# Altium PCB radxa_cm3i_io_board_v1.4.PcbDoc (part 1 of 9) (continued)
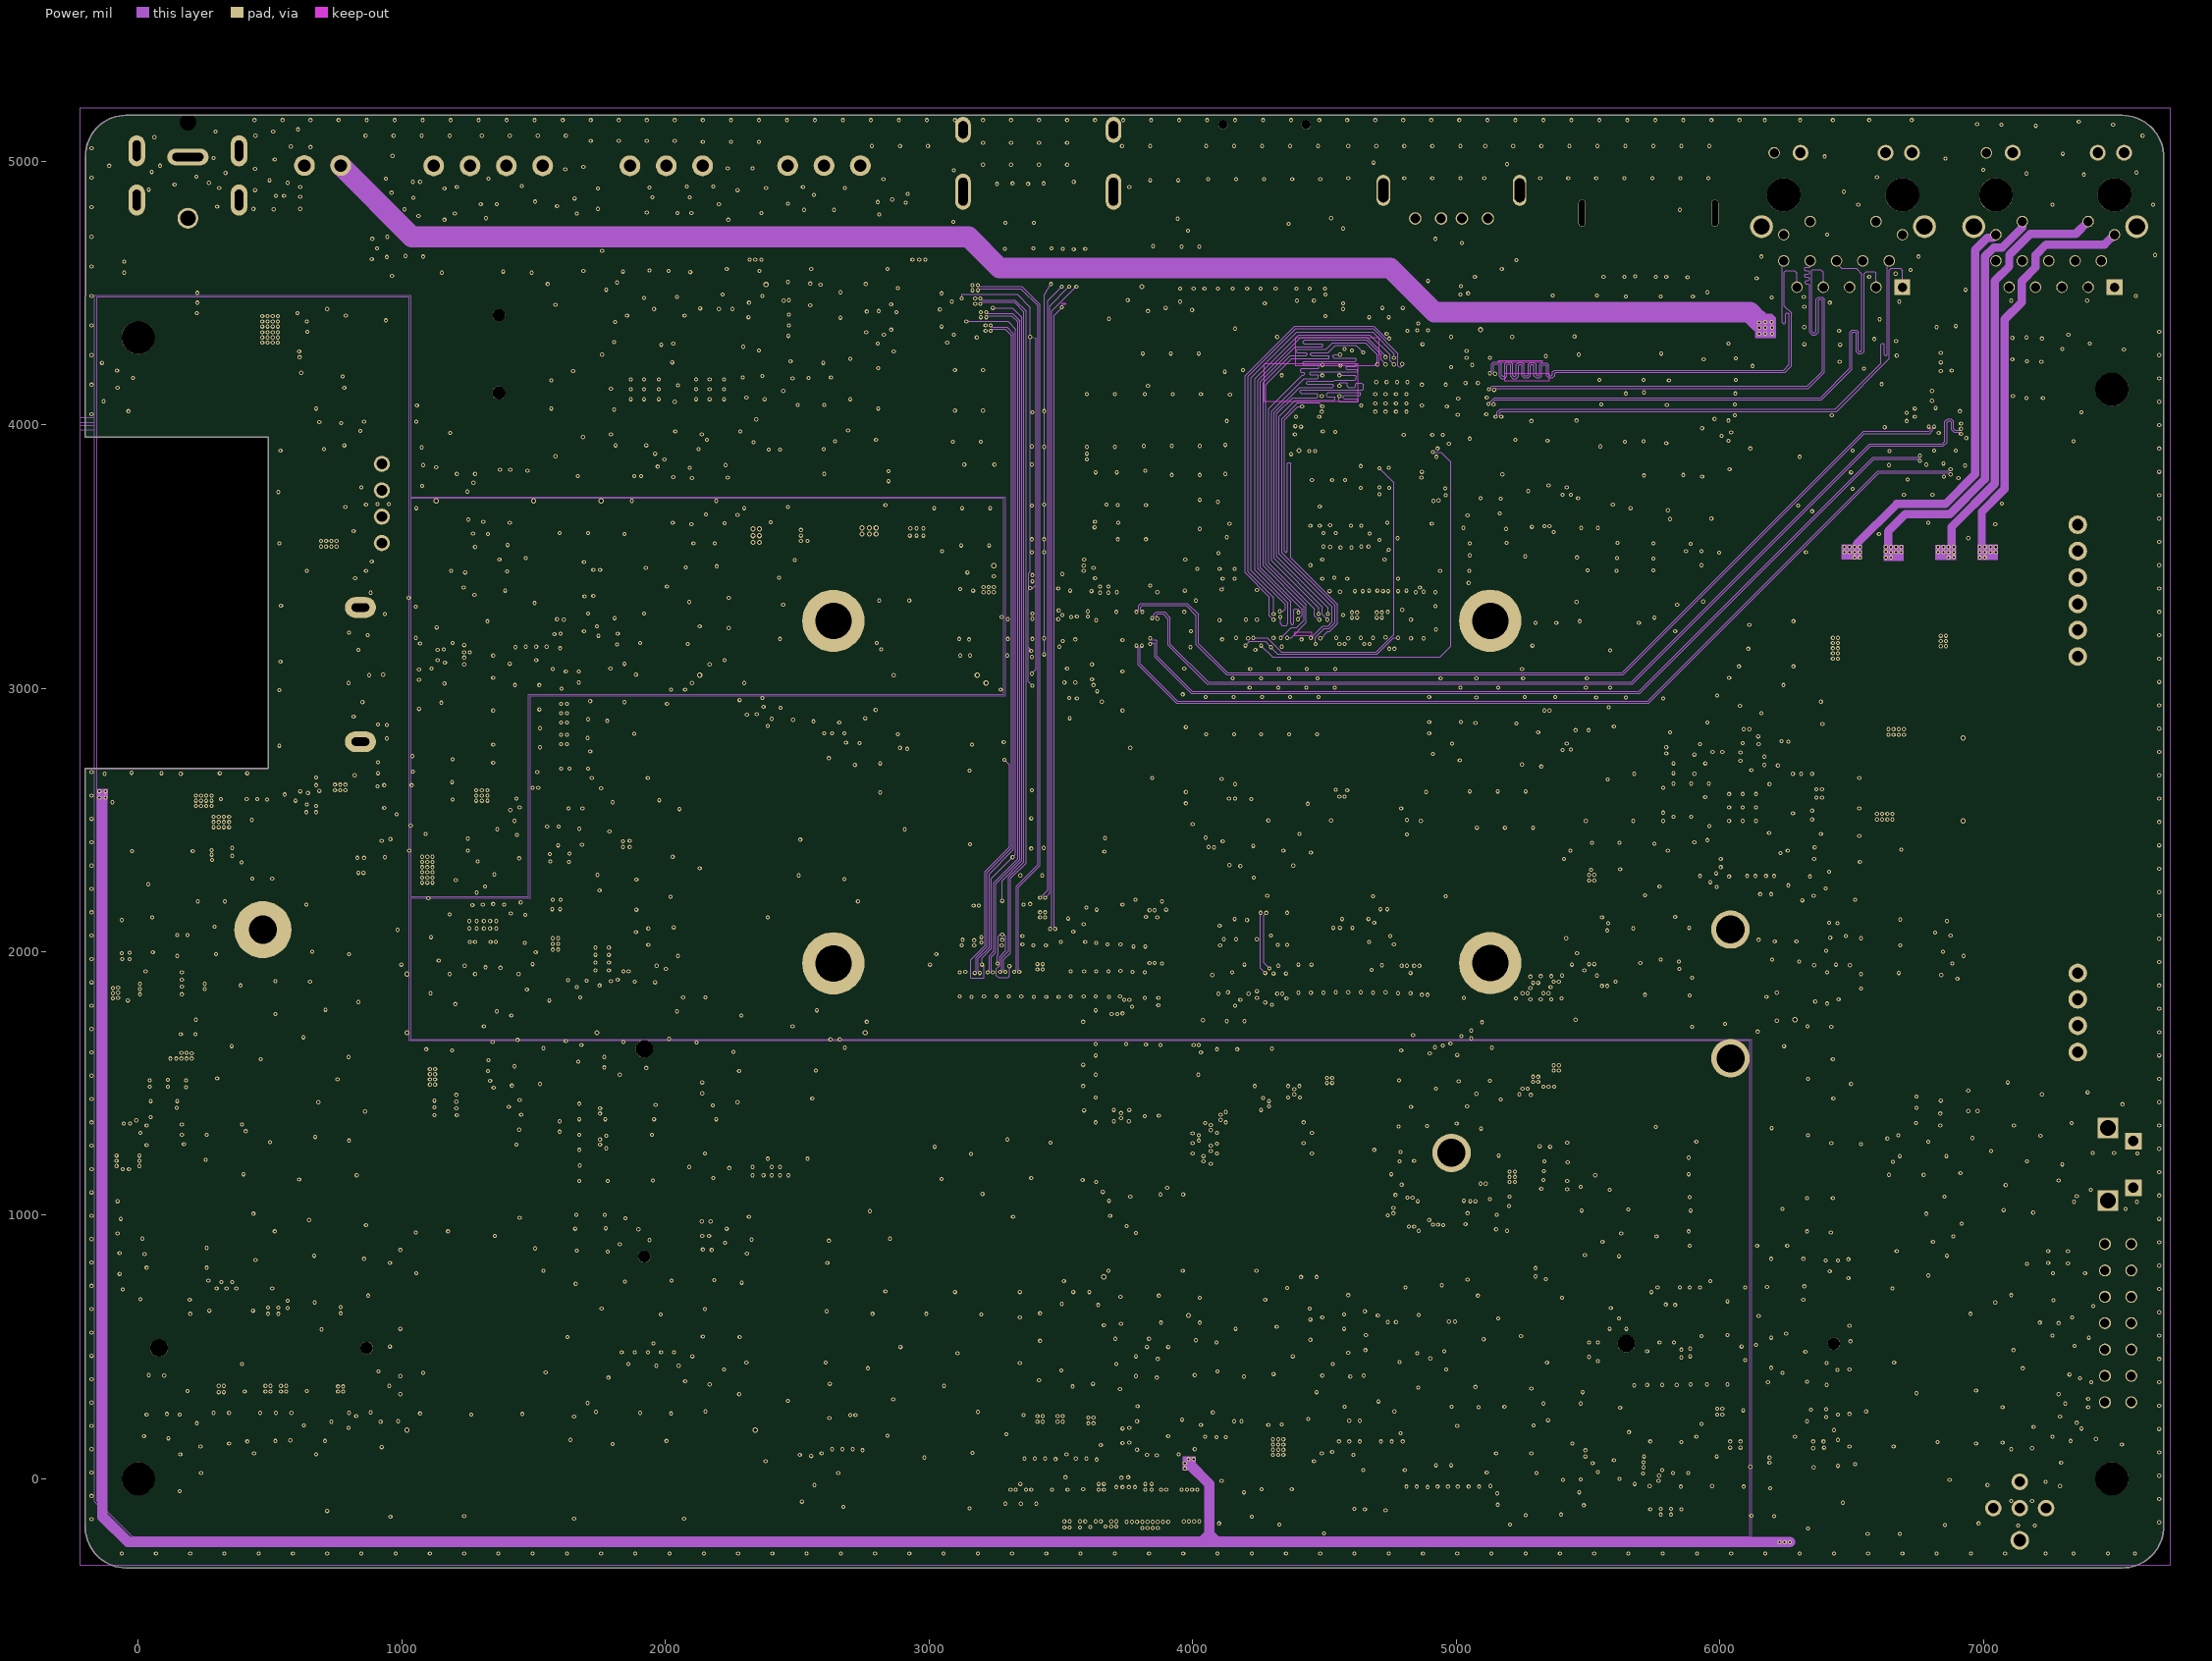
[diagram p3: Power]

## Layer stack, top to bottom
Solder Mask Top: solder mask 0.4, Solder Resist, Dk 3.5
Top: signal copper 1.35
Dielectric 1: dielectric 10, FR-4, Dk 4.3
GND: plane copper 1.35
Dielectric2: dielectric 10, FR-4, Dk 4.3
Power: signal copper 1.35
Dielectric3: dielectric 10, FR-4, Dk 4.3
Bottom: signal copper 1.35
Solder Mask Bottom: solder mask 0.4, Solder Resist, Dk 3.5

## Board outline
-200.03,5019.93 -200.03,5019.82 cw(c-46.22,5019.82) -46.22,5173.62 7525.4,5173.62 cw(c7525.4,5013.98) 7685.04,5013.98 7685.04,-179.71 cw(c7526.95,-179.71) 7526.95,-337.8 -47.67,-337.8 -47.72,-337.79 cw(c-46.09,-182.71) -201.18,-181.13 -201.18,2695.67 491.93,2695.67 494,2697.74 493.11,3951.97 -200.79,3951.97

## Design rules (kind name [scope] priority, off if disabled: settings)
Clearance "Clearance - Default - DEFAULT- SMD" [IsVia vs IsSMTPin] p1: gap=0 ignorepadtopadclearanceinfootprint=FALSE
Clearance "Clearance - Default - DEFAULT - Via" [IsVia vs IsVia] p2: gap=0 ignorepadtopadclearanceinfootprint=FALSE
Clearance "Clearance - Default - DEFAULT - Net" [All] p3: gap=3.94 ignorepadtopadclearanceinfootprint=FALSE except(0: Arc-Hole Track-Hole SMDPad-Hole THPad-Hole Via-Hole Fill-Hole Poly-Hole Region-Hole Text-Hole; 5.91: Arc-Fill Arc-Poly Arc-Region Track-Fill Track-Poly Track-Region SMDPad-Fill SMDPad-Poly SMDPad-Region THPad-Fill THPad-Poly THPad-Region Via-Fill Via-Poly Via-Region Fill-Fill Fill-Poly Fill-Region Poly-Poly Poly-Region Region-Region; 10: Text-Text)
ComponentClearance "ComponentClearance - Default - DEFAULT" [All] p1: gap=0 collisioncheckmode=3 verticalgap=10 showdistances=FALSE
DiffPairsRouting "DiffPairsRouting - DiffPair - USB3_HOST1_SSTX" [InDifferentialPairClass('DiffPairClassFor_DP_GAP_39370_Width_59055')] p1: maxlimit=3.94 minlimit=3.94 mostfreqgap=3.94 toplayer_minwidth=5.91 toplayer_maxwidth=5.91 toplayer_prefwidth=5.91 midlayer1_minwidth=5.91 midlayer1_maxwidth=5.91 midlayer1_prefwidth=5.91 bottomlayer_minwidth=5.91 bottomlayer_maxwidth=5.91 bottomlayer_prefwidth=5.91 maxuncoupledlength=500
DiffPairsRouting "DiffPairsRouting - DiffPair - Default" [All] p2: maxlimit=3.94 minlimit=3.94 mostfreqgap=3.94 toplayer_minwidth=3.94 toplayer_maxwidth=3.94 toplayer_prefwidth=3.94 midlayer1_minwidth=3.94 midlayer1_maxwidth=3.94 midlayer1_prefwidth=3.94 bottomlayer_minwidth=3.94 bottomlayer_maxwidth=3.94 bottomlayer_prefwidth=3.94 maxuncoupledlength=500
FanoutControl Fanout_SOIC [IsSOIC] p1: bgadir=Out bgaviamode=Centered fanoutstyle=Auto fanoutdirection=Alternating viagrid=1 // Fanout_SOIC (Default Rule)
FanoutControl Fanout_Small [(CompPinCount < 5)] p2: bgadir=Out bgaviamode=Centered fanoutstyle=Auto fanoutdirection=OutThenIn viagrid=1 // Fanout_Small (Default Rule)
FanoutControl Fanout_LCC [IsLCC] p3: bgadir=Out bgaviamode=Centered fanoutstyle=Auto fanoutdirection=Alternating viagrid=1 // Fanout_LCC (Default Rule)
FanoutControl Fanout_BGA [IsBGA] p4: bgadir=Out bgaviamode=Centered fanoutstyle=Auto fanoutdirection=Alternating viagrid=1 // Fanout_BGA (Default Rule)
HoleToHoleClearance "HoleToHoleClearance - Default - DEFAULT" [All] p1: gap=0 allowstackedmicrovias=TRUE
Length "Length - NetClass - HighSpeedClass_9(RuleSet)" [InNetClass('HighSpeedClass_9(RuleSet)')] p1: maxlimit=18503.27 minlimit=0
Length "Length - NetClass - MLNetGroup2" [InNetClass('MLNetGroup2')] p2: maxlimit=18503.27 minlimit=0
Length "Length - NetClass - MLNetGroup1" [InNetClass('MLNetGroup1')] p3: maxlimit=18503.27 minlimit=0
Length "Length - NetClass - MLNetGroup6" [InNetClass('MLNetGroup6')] p4: maxlimit=18503.27 minlimit=0
Length "Length - NetClass - MLNetGroup7" [InNetClass('MLNetGroup7')] p5: maxlimit=18503.27 minlimit=0
Length "Length - NetClass - MLNetGroup3" [InNetClass('MLNetGroup3')] p6: maxlimit=18503.27 minlimit=0
Length "Length - NetClass - MLNetGroup4" [InNetClass('MLNetGroup4')] p7: maxlimit=18503.27 minlimit=0
Length "Default Length" [All] p8: maxlimit=50000 minlimit=0
MatchedLengths "MatchedLengths - NetClass - HighSpeedClass_9(RuleSet)" [InNetClass('HighSpeedClass_9(RuleSet)')] p1: tolerance=39.37 checknetsindiffpair=FALSE checkdiffpairvsdiffpair=TRUE checkxsignals=TRUE checkothers=TRUE
MatchedLengths "MatchedLengths - NetClass - MLNetGroup7" [InNetClass('MLNetGroup7')] p2: tolerance=200 checknetsindiffpair=FALSE checkdiffpairvsdiffpair=TRUE checkxsignals=TRUE checkothers=TRUE
MatchedLengths "MatchedLengths - NetClass - MLNetGroup2" [InNetClass('MLNetGroup2')] p3: tolerance=39.37 checknetsindiffpair=FALSE checkdiffpairvsdiffpair=TRUE checkxsignals=TRUE checkothers=TRUE
MatchedLengths "MatchedLengths - NetClass - MLNetGroup1" [InNetClass('MLNetGroup1')] p4: tolerance=39.37 checknetsindiffpair=FALSE checkdiffpairvsdiffpair=TRUE checkxsignals=TRUE checkothers=TRUE
MatchedLengths "MatchedLengths - NetClass - MLNetGroup6" [InNetClass('MLNetGroup6')] p5: tolerance=39.37 checknetsindiffpair=FALSE checkdiffpairvsdiffpair=TRUE checkxsignals=TRUE checkothers=TRUE
MatchedLengths "MatchedLengths - NetClass - MLNetGroup3" [InNetClass('MLNetGroup3')] p6: tolerance=39.37 checknetsindiffpair=FALSE checkdiffpairvsdiffpair=TRUE checkxsignals=TRUE checkothers=TRUE
MatchedLengths "MatchedLengths - NetClass - MLNetGroup4" [InNetClass('MLNetGroup4')] p7: tolerance=39.37 checknetsindiffpair=FALSE checkdiffpairvsdiffpair=TRUE checkxsignals=TRUE checkothers=TRUE
MaxMinImpedance "Default Impedance" [All] p1: minimum=50.00 maximum=150.0
ParallelSegment "Default Parallel Segment Same Layer" [All] p1: limit=1000 gap=200
ParallelSegment "Default Parallel Segment Adjasent" [All] p2: limit=1000 gap=200
PlaneClearance "PlaneClearance - FootPrint 'DIP_14PIN-2_54MM'" [HasFootprint('DIP_14PIN-2_54MM')] p1: clearance=4.92 // PAD - Power Plane Clearance
PlaneConnect "Default PlaneConnect" [All] p1: planeconnectstyle=Relief reliefexpansion=20 reliefentries=4 reliefconductorwidth=15 reliefairgap=10
PolygonConnect "PolygonConnect - Default SMT" [IsSMTPin] p1: connectstyle=Direct reliefconductorwidth=10 reliefentries=4 polygonreliefangle="45 Angle" airgapwidth=10
PolygonConnect "PolygonConnect - Default Pad" [All] p2: connectstyle=Relief reliefconductorwidth=15 reliefentries=4 polygonreliefangle="45 Angle" airgapwidth=10
RoutingLayers "RoutingLayers - Default - DEFAULT" [All] p1: top layer_v5=TRUE mid layer 1_v5=TRUE bottom layer_v5=TRUE
RoutingPriority "RoutingPriority - Default - DEFAULT" [All] p1: routingpriority=3
RoutingTopology "Default Routing Topology" [All] p1: topology=Shortest
RoutingVias "RoutingVias - Default - DEFAULT" [All] p1: holewidth=7.87 width=15.75 viastyle="Through Hole" minholewidth=7.87 minwidth=15.75 maxholewidth=7.87 maxwidth=15.75
SMDToCorner "SMDToCorner - Default - DEFAULT" [All] p1: distance=0
SolderMaskExpansion [All] p1: expansion=4 istentingtop=FALSE
Width "Width - Net - 5V0_USB30" [InNet('5V0_USB30') OR InNet('VCC5V0_USB')] p1: maxlimit=196.85 minlimit=3.15 preferedwidth=19.68
Width "Width - NetClass - ClearanceClass_6(RuleSet)" [InNetClass('ClearanceClass_6(RuleSet)') OR InNetClass('ClearanceClass_5(RuleSet)')] p2: maxlimit=196.85 minlimit=3.15 preferedwidth=5.91
Width "Default Width" [All] p3: maxlimit=196.85 minlimit=3.15 preferedwidth=3.94
18 further rules are at their usual default settings.

## Classes and differential pairs
net class MLNetGroup5: PHY1_1MDI0+ PHY1_1MDI0- PHY1_1MDI1+ PHY1_1MDI1- PHY1_1MDI2+ PHY1_1MDI2- PHY1_1MDI3+ PHY1_1MDI3- PHY1_MDI0+ PHY1_MDI0- PHY1_MDI1+ PHY1_MDI1- PHY1_MDI2+ PHY1_MDI2- PHY1_MDI3+ PHY1_MDI3-
net class ClearanceClass_6(RuleSet): USB3_OTG0_SSTXN USB3_OTG0_SSTXP USB_OTG0_DM USB_OTG0_DP
net class ClearanceClass_5(RuleSet): N18301690 N18301692 N18301724 N18301726 USB3_OTG0_SSRXN USB3_OTG0_SSRXP
net class MLNetGroup3: MIPI_CSI_RX_CLK1N MIPI_CSI_RX_CLK1P MIPI_CSI_RX_D2N MIPI_CSI_RX_D2P MIPI_CSI_RX_D3N MIPI_CSI_RX_D3P
net class MLNetGroup4: EDP_TX_AUXN EDP_TX_AUXP EDP_TX_D0N EDP_TX_D0P EDP_TX_D1N EDP_TX_D1P EDP_TX_D2N EDP_TX_D2P EDP_TX_D3N EDP_TX_D3P
net class HighSpeedClass_9(RuleSet): PHY1_MDI0+ PHY1_MDI0- PHY1_MDI1+ PHY1_MDI1- PHY1_MDI2+ PHY1_MDI2- PHY1_MDI3+ PHY1_MDI3-
net class MLNetGroup2: MIPI_DSI_TX0_CLKN/LVDS_TX0_CLKN MIPI_DSI_TX0_CLKP/LVDS_TX0_CLKP MIPI_DSI_TX0_D0N/LVDS_TX0_D0N MIPI_DSI_TX0_D0P/LVDS_TX0_D0P MIPI_DSI_TX0_D1N/LVDS_TX0_D1N MIPI_DSI_TX0_D1P/LVDS_TX0_D1P
net class MLNetGroup7: MIPI_CSI_RX_CLK0N MIPI_CSI_RX_CLK0P MIPI_CSI_RX_D0N MIPI_CSI_RX_D0P MIPI_CSI_RX_D1N MIPI_CSI_RX_D1P
net class MLNetGroup6: M0_MDI0+ M0_MDI0- M0_MDI1+ M0_MDI1- M0_MDI2+ M0_MDI2- M0_MDI3+ M0_MDI3-
net class MLNetGroup1: HDMI_TX0N_PORT HDMI_TX0P_PORT HDMI_TX1N_PORT HDMI_TX1P_PORT HDMI_TX2N_PORT HDMI_TX2P_PORT HDMI_TXCLKN_PORT HDMI_TXCLKP_PORT
differential pair class DiffPairClassFor_DP_GAP_39370_Width_59055: N18228 N1830169 N1830172 N1845472 USB2_HOST2_D USB2_HOST3_D USB3_HOST1_D USB3_HOST1_SSRX USB3_HOST1_SSTX USB3_OTG0_SSRX USB3_OTG0_SSTX USB_OTG0_D
differential pair EDP_TX_D1: +EDP_TX_D1P -EDP_TX_D1N
differential pair EDP_TX_D0: +EDP_TX_D0P -EDP_TX_D0N
differential pair EDP_TX_AUX: +EDP_TX_AUXP -EDP_TX_AUXN
differential pair EDP_TX_D2: +EDP_TX_D2P -EDP_TX_D2N
differential pair MIPI_CSI_RX_CLK1: +MIPI_CSI_RX_CLK1P -MIPI_CSI_RX_CLK1N
differential pair MIPI_CSI_RX_CLK0: +MIPI_CSI_RX_CLK0N -MIPI_CSI_RX_CLK0P
differential pair EDP_TX_D3: +EDP_TX_D3P -EDP_TX_D3N
differential pair PCIE20_TX: +PCIE20_TXN -PCIE20_TXP
differential pair PCIE30_RX1: +PCIE30_RX1N -PCIE30_RX1P
differential pair PCIE30_TX0: +PCIE30_TX0P -PCIE30_TX0N
differential pair PCIE30_TX1: +PCIE30_TX1P -PCIE30_TX1N
differential pair PCIE30_RX0: +PCIE30_RX0N -PCIE30_RX0P
differential pair PCIE20_RX: +PCIE20_RXN -PCIE20_RXP
differential pair PCIE20_REFCLK: +PCIE20_REFCLKP -PCIE20_REFCLKN
differential pair PCIE30_REFCLK: +PCIE30_REFCLKP_IN -PCIE30_REFCLKN_IN
differential pair PHY1_MDI2: +PHY1_MDI2+ -PHY1_MDI2-
differential pair PHY1_MDI3: +PHY1_MDI3- -PHY1_MDI3+
differential pair M0_MDI3: +M0_MDI3- -M0_MDI3+
differential pair PHY1_1MDI3: +PHY1_1MDI3- -PHY1_1MDI3+
differential pair PHY1_1MDI0: +PHY1_1MDI0- -PHY1_1MDI0+
differential pair PHY1_1MDI1: +PHY1_1MDI1- -PHY1_1MDI1+
differential pair PHY1_1MDI2: +PHY1_1MDI2- -PHY1_1MDI2+
differential pair MIPI_CSI_RX_D3: +MIPI_CSI_RX_D3N -MIPI_CSI_RX_D3P
differential pair MIPI_CSI_RX_D2: +MIPI_CSI_RX_D2N -MIPI_CSI_RX_D2P
differential pair MIPI_CSI_RX_D1: +MIPI_CSI_RX_D1N -MIPI_CSI_RX_D1P
differential pair MIPI_CSI_RX_D0: +MIPI_CSI_RX_D0N -MIPI_CSI_RX_D0P
differential pair MIPI_DSI_TX0_CLK: +MIPI_DSI_TX0_CLKN/LVDS_TX0_CLKN -MIPI_DSI_TX0_CLKP/LVDS_TX0_CLKP
differential pair M0_MDI2: +M0_MDI2+ -M0_MDI2-
differential pair MIPI_DSI_TX0_D1: +MIPI_DSI_TX0_D1P/LVDS_TX0_D1P -MIPI_DSI_TX0_D1N/LVDS_TX0_D1N
differential pair MIPI_DSI_TX0_D0: +MIPI_DSI_TX0_D0P/LVDS_TX0_D0P -MIPI_DSI_TX0_D0N/LVDS_TX0_D0N
differential pair N1797828: +N17978286 -N17978284
differential pair PHY0_MDI3: +PHY0_MDI3- -PHY0_MDI3+
differential pair PHY0_MDI2: +PHY0_MDI2+ -PHY0_MDI2-
differential pair N179782: +N17978290 -N17978288
differential pair N1830172: +N18301724 -N18301726
differential pair N1830169: +N18301692 -N18301690
differential pair N18228: +N18228600 -N18228599
differential pair PHY0_MDI1: +PHY0_MDI1+ -PHY0_MDI1-
differential pair PCIE20_TX_1: +PCIE20_TXN_1 -PCIE20_TXP_1
differential pair SATA1_RX: +SATA1_RXN -SATA1_RXP
differential pair SATA1_TX: +SATA1_TXP -SATA1_TXN
differential pair PCIE20_RX_1: +PCIE20_RXN_1 -PCIE20_RXP_1
differential pair PHY0_MDI0: +PHY0_MDI0+ -PHY0_MDI0-
differential pair PHY1_MDI0: +PHY1_MDI0- -PHY1_MDI0+
differential pair PHY1_MDI1: +PHY1_MDI1+ -PHY1_MDI1-
differential pair HDMI_TX1: +HDMI_TX1P_PORT -HDMI_TX1N_PORT
differential pair HDMI_TX0: +HDMI_TX0P_PORT -HDMI_TX0N_PORT
differential pair USB2_HOST2_D: +USB2_HOST2_DP -USB2_HOST2_DM
differential pair HDMI_TX2: +HDMI_TX2N_PORT -HDMI_TX2P_PORT
differential pair M0_MDI0: +M0_MDI0+ -M0_MDI0-
differential pair M0_MDI1: +M0_MDI1- -M0_MDI1+
differential pair HDMI_TXCLK: +HDMI_TXCLKP_PORT -HDMI_TXCLKN_PORT
differential pair USB_OTG0_D: +USB_OTG0_DP -USB_OTG0_DM
differential pair USB3_HOST1_D: +USB3_HOST1_DM -USB3_HOST1_DP
differential pair USB2_HOST3_D: +USB2_HOST3_DP -USB2_HOST3_DM
differential pair N1845472: +N18454721 -N18454723
differential pair USB3_HOST1_SSRX: +USB3_HOST1_SSRXP -USB3_HOST1_SSRXN
differential pair USB3_OTG0_SSTX: +USB3_OTG0_SSTXN -USB3_OTG0_SSTXP
differential pair USB3_OTG0_SSRX: +USB3_OTG0_SSRXP -USB3_OTG0_SSRXN
differential pair USB3_HOST1_SSTX: +USB3_HOST1_SSTXN -USB3_HOST1_SSTXP

## Components (designator, comment, footprint, x,y, rotation, side; value= is the part's Value field where it differs from the comment)
C1 "C0402" C0402 2500,3923.23 r270 top
C2 "C0402" C0402 2543.31,3923.23 r270 top
C3 "C0603" C0603 2440.94,4500 r0 top
C4 "C0402" C0402 2456.69,4358.27 r0 top
C5 "C0402" C0402 2462.6,3923.23 r90 top
C6 "C0402" C0402 2582.68,3923.23 r90 top
C7 "C0603" C0603 2440.94,4444.88 r0 top
C8 "C0402" C0402 2456.69,4395.67 r0 top
C9 "C0402" C0402 1793.31,4169.29 r270 top
C10 "C0402" C0402 1120.08,4777.56 r90 top
C11 "C0603" C0603 1092.52,4842.52 r180 top
C12 "C0402" C0402 2177.17,3921.26 r180 top
C13 "C0603" C0603 2267.72,4385.83 r90 top
C14 "C0402" C0402 2314.96,4374.02 r90 top
C15 "C0603" C0603 2165.35,3874.02 r180 top
C16 "C0402" C0402 1864.17,4779.53 r90 top
C17 "C0603" C0603 1836.61,4897.64 r180 top
C18 "C0402" C0402 2244.09,3903.54 r270 top
C19 "C0402" C0402 2094.49,3903.54 r270 top
C20 "C0402" C0402 2124.02,4862.2 r180 top
C21 "C0402" C0402 1984.25,4862.2 r180 top
C22 "C0603" C0603 6923.23,2657.48 r90 top
C23 "C0402" C0402 879.92,2464.57 r270 top
C24 "C0603" C0603 4574.8,74.8 r90 top
C25 "C0402" C0402 4527.56,62.99 r90 top
C26 "C0603" C0603 5460.63,72.83 r90 top
C27 "C0402" C0402 389.76,196.85 r90 top
C28 "C0402" C0402 1629.92,1316.93 r0 top
C29 "C0402" C0402 358.27,196.85 r90 top
C30 "C0402" C0402 1629.92,1356.3 r0 top
C31 "C0603" C0603 2124.02,1005.91 r0 top
C32 "C0603" C0603 2124.02,950.79 r0 top
C33 "C0603" C0603 2124.02,895.67 r0 top
C34 "C0402" C0402 2124.02,1444.88 r0 top
C35 "C0402" C0402 2124.02,1484.25 r0 top
C36 "C1206" C1206 1165.35,1472.44 r270 top
C37 "C0402" C0402 1228.35,1476.38 r270 top
C38 "C0402" C0402 1332.68,1397.64 r180 top
C39 "C0402" C0402 1450.79,1513.78 r90 top
C40 "C0603" C0603 1478.35,1356.3 r180 top
C41 "C0603" C0603 1478.35,1409.45 r180 top
C42 "C0402" C0402 1466.54,1456.69 r180 top
C43 "C0402" C0402 181.1,1100.39 r180 top
C44 "C0402" C0402 1224.41,1625.98 r180 top
C45 "C1206" C1206 -39.37,1261.81 r90 top
C46 "C0402" C0402 31.5,1226.38 r90 top
C47 "C0402" C0402 216.54,1383.86 r180 top
C48 "C0603" C0603 70.87,911.42 r180 top
C49 "C0603" C0603 74.8,852.36 r180 top
C50 "C0402" C0402 76.77,803.15 r180 top
C51 "C0402" C0402 129.92,1305.12 r0 top
C52 "C0402" C0402 6322.83,1907.48 r90 top
C53 "C0603" C0603 6340.55,2251.97 r0 top
C54 "C0402" C0402 6383.86,2055.12 r0 top
C55 "C0402" C0402 6496.06,1986.22 r270 top
C56 "C0603" C0603 6074.8,2818.9 r0 top
C57 "C0402" C0402 6062.99,2740.16 r0 top
C58 "C0402" C0402 6062.99,2771.65 r0 top
C59 "C0603" C0603 6210.63,2251.97 r180 top
C60 "C0402" C0402 6019.69,2368.11 r180 top
C61 "C0402" C0402 6019.69,2305.12 r180 top
C62 "C0603" C0603 6309.06,2383.86 r0 top
C63 "C0402" C0402 6293.31,2505.91 r0 top
C64 "C0402" C0402 6293.31,2655.51 r0 top
C65 "C0603" C0603 5846.46,2761.81 r180 top
C66 "C0402" C0402 5858.27,2714.57 r180 top
C67 "C0402" C0402 5858.27,2637.8 r180 top
C68 "C0402" C0402 6293.31,2545.28 r180 top
C69 "C0402" C0402 6293.31,2694.88 r180 top
C70 "C0402" C0402 6019.69,2336.61 r0 top
C71 "C0402" C0402 6135.83,2708.66 r180 top
C72 "C0402" C0402 6062.99,2708.66 r180 top
C73 "C0402" C0402 5858.27,2677.17 r0 top
C74 "C0402" C0402 5858.27,2511.81 r0 top
C75 "C0402" C0402 6175.2,2320.87 r90 top
C76 "C0402" C0402 5925.2,2399.61 r90 top
C77 "C0402" C0402 6072.83,2248.03 r90 top
C78 "C0402" C0402 6104.33,2320.87 r90 top
C79 "C0603" C0603 1440.94,2120.08 r90 top
C80 "C0402" C0402 1181.1,2108.27 r90 top
C81 "C0402" C0402 1104.33,2956.69 r180 top
C82 "C0402" C0402 1104.33,2996.06 r180 top
C83 "C0402" C0402 1104.33,3106.3 r180 top
C84 "C0402" C0402 1104.33,3145.67 r180 top
C85 "C0603" C0603 877.95,4842.52 r0 top
C86 "C0402" C0402 7366.14,340.55 r270 top
C92 "C0402" C0402 4470.47,364.17 r90 top
C94 "C0402" C0402 4712.6,259.84 r90 top
C105 "C0603" C0603 4009.84,4572.83 r270 top
C106 "C0402" C0402 4057.09,4584.65 r270 top
C107 "C0402" C0402 3742.13,4559.06 r180 top
C108 "C0603" C0603 3956.69,4572.83 r270 top
C109 "C0402" C0402 4094.49,4584.65 r270 top
C110 "C0805" C0805 311.02,2405.51 r270 top
C111 "C0402" C0402 312.99,2545.28 r90 top
C112 "C0402" C0402 562.99,2545.28 r270 top
C113 "C0603" C0603 704.72,2582.68 r180 top
C114 "C0402" C0402 710.63,2629.92 r180 top
C115 "C0805" C0805 242.13,2405.51 r270 top
C116 "C0402" C0402 692.91,2517.72 r90 top
C117 "C0603" C0603 811.02,2381.89 r0 top
C118 "C0603" C0603 811.02,2328.74 r0 top
C119 "C0402" C0402 653.54,2517.72 r90 top
C120 "C0402" C0402 820.87,2277.56 r0 top
C121 "C0402" C0402 681.1,4866.14 r180 top
C122 "C0805" C0805 879.92,4633.86 r0 top
C123 "C0402" C0402 450.79,2293.31 r270 top
C124 "C0402" C0402 450.79,2545.28 r90 top
C125 "C0805" C0805 557.09,4799.21 r270 top
C126 "C0402" C0402 681.1,4905.51 r180 top
C127 "C0402" C0402 202.76,1777.56 r180 top
C128 "C1206" C1206 -39.37,1893.7 r90 top
C129 "C0402" C0402 27.56,1891.73 r90 top
C130 "C0402" C0402 202.76,2041.34 r0 top
C131 "C0805" C0805 147.64,1533.46 r270 top
C132 "C0402" C0402 179.13,1671.26 r90 top
C133 "C0402" C0402 131.89,2003.94 r0 top
C134 "C0402" C0402 259.84,4501.97 r180 top
C135 "C0805" C0805 9.84,1533.46 r270 top
C136 "C0805" C0805 78.74,1533.46 r270 top
C137 "C0805" C0805 218.5,1533.46 r270 top
C138 "C0603" C0603 647.64,4228.35 r180 top
C139 "C0402" C0402 655.51,4273.62 r180 top
C140 "C0402" C0402 3633.86,4724.41 r270 top
C141 "C0402" C0402 5173.23,4551.18 r90 top
C142 "C0603" C0603 5070.87,4281.5 r270 top
C143 "C0402" C0402 5127.95,4293.31 r270 top
C144 "C0402" C0402 5415.35,61.02 r90 top
C146 "C0402" C0402 6078.74,175.2 r90 top
C147 "C0402" C0402 6039.37,175.2 r90 top
C148 "C0402" C0402 5334.65,1013.78 r180 top
C149 "C0805" C0805 5169.29,1078.74 r270 top
C150 "C0402" C0402 5222.44,1092.52 r270 top
C151 "C0402" C0402 5372.05,1244.09 r0 top
C152 "C0603" C0603 6346.46,704.72 r180 top
C153 "C0603" C0603 5724.41,681.1 r0 top
C154 "C0402" C0402 5360.24,738.19 r180 top
C155 "C0603" C0603 5352.36,787.4 r180 top
C156 "C0402" C0402 5301.18,1204.72 r0 top
C157 "C0402" C0402 7299.21,4324.8 r270 top
C161 "C0603" C0603 976.38,2698.82 r180 top
C162 "C0201" C0201 1041.34,2708.66 r90 top
C203 "C0402" C0402 4352.36,43.31 r270 top
C204 "C0402" C0402 4047.24,125.98 r90 top
C205 "C0402" C0402 3535.43,620.08 r180 top
C206 "C0805" C0805 4110.24,98.43 r90 top
C207 "C0603" C0603 3720.47,110.24 r0 top
C208 "C0603" C0603 3720.47,165.35 r0 top
C209 "C0603" C0603 3720.47,45.28 r0 top
C210 "C0402" C0402 3635.83,41.34 r90 top
C211 "C0402" C0402 3864.17,53.15 r90 top
C212 "C0603" C0603 6582.68,2826.77 r180 top
C213 "C0402" C0402 6960.63,1488.19 r90 top
C214 "CAP_SM_6D3X7D7_1" CAP_SM_6D3X7D7_1 6791.34,1501.97 r0 top
C215 "C0805" C0805 879.92,4702.76 r0 top
C216 "C0805" C0805 879.92,4771.65 r0 top
C217 "C0402" C0402 681.1,4828.74 r0 top
C218 "CAP_SM_6D3X7D7_1" CAP_SM_6D3X7D7_1 6791.34,1874.02 r180 top
C219 "C0402" C0402 6998.03,1411.42 r270 top
C220 "C0402" C0402 7253.94,196.85 r270 top
C221 "C0402" C0402 7328.74,196.85 r270 top
C222 "C0402" C0402 1618.11,2179.13 r180 top
C223 "C0603" C0603 1608.27,2133.86 r180 top
C224 "C0805" C0805 1596.46,2320.87 r90 top
C225 "C0402" C0402 1893.7,1915.35 r0 top
C226 "C0402" C0402 1647.64,3474.41 r0 top
C227 "C0603" C0603 1620.08,3234.25 r180 top
C228 "C0603" C0603 1620.08,3179.13 r180 top
C229 "C0402" C0402 1631.89,3281.5 r180 top
C230 "C0402" C0402 2592.52,62.99 r90 top
C231 "C0402" C0402 1283.46,3468.5 r180 top
C232 "C0402" C0402 1354.33,3468.5 r0 top
C233 "C0402" C0402 1295.28,3795.28 r90 top
C234 "C0402" C0402 5818.9,4503.94 r90 top
C235 "C0402" C0402 5858.27,4503.94 r90 top
C238 "C0402" C0402 4816.93,3881.89 r90 top
C239 "C0402" C0402 4761.81,3812.99 r180 top
C240 "C0402" C0402 4854.33,3881.89 r90 top
C241 "C0402" C0402 6440.94,4397.64 r90 top
C242 "C0402" C0402 4639.76,3572.83 r270 top
C243 "C0402" C0402 4639.76,3649.61 r270 top
C244 "C0402" C0402 4600.39,3726.38 r90 top
C245 "C0402" C0402 4814.96,4320.87 r90 top
C246 "C0603" C0603 4490.16,3868.11 r90 top
C247 "C0402" C0402 4442.91,3866.14 r90 top
C248 "C0402" C0402 4921.26,4151.57 r0 top
C249 "C0402" C0402 4816.93,3944.88 r270 top
C250 "C0402" C0402 4921.26,4072.83 r0 top